# Altium PCB Bran_Main_Assay_PCB_v2_20170728.pcbdoc (part 1 of 4)
Units mil, origin at the board's own origin, x right, y up, seen from the top; angles counter-clockwise.
Board outline 3608.46 x 1899.79 mil, 6 copper layers (TOP, GND1, Singal, POWER, GND2, BOTTOM), stack 31.508 mil thick; 363 components, 288 nets, 1395 pads, 968 vias.
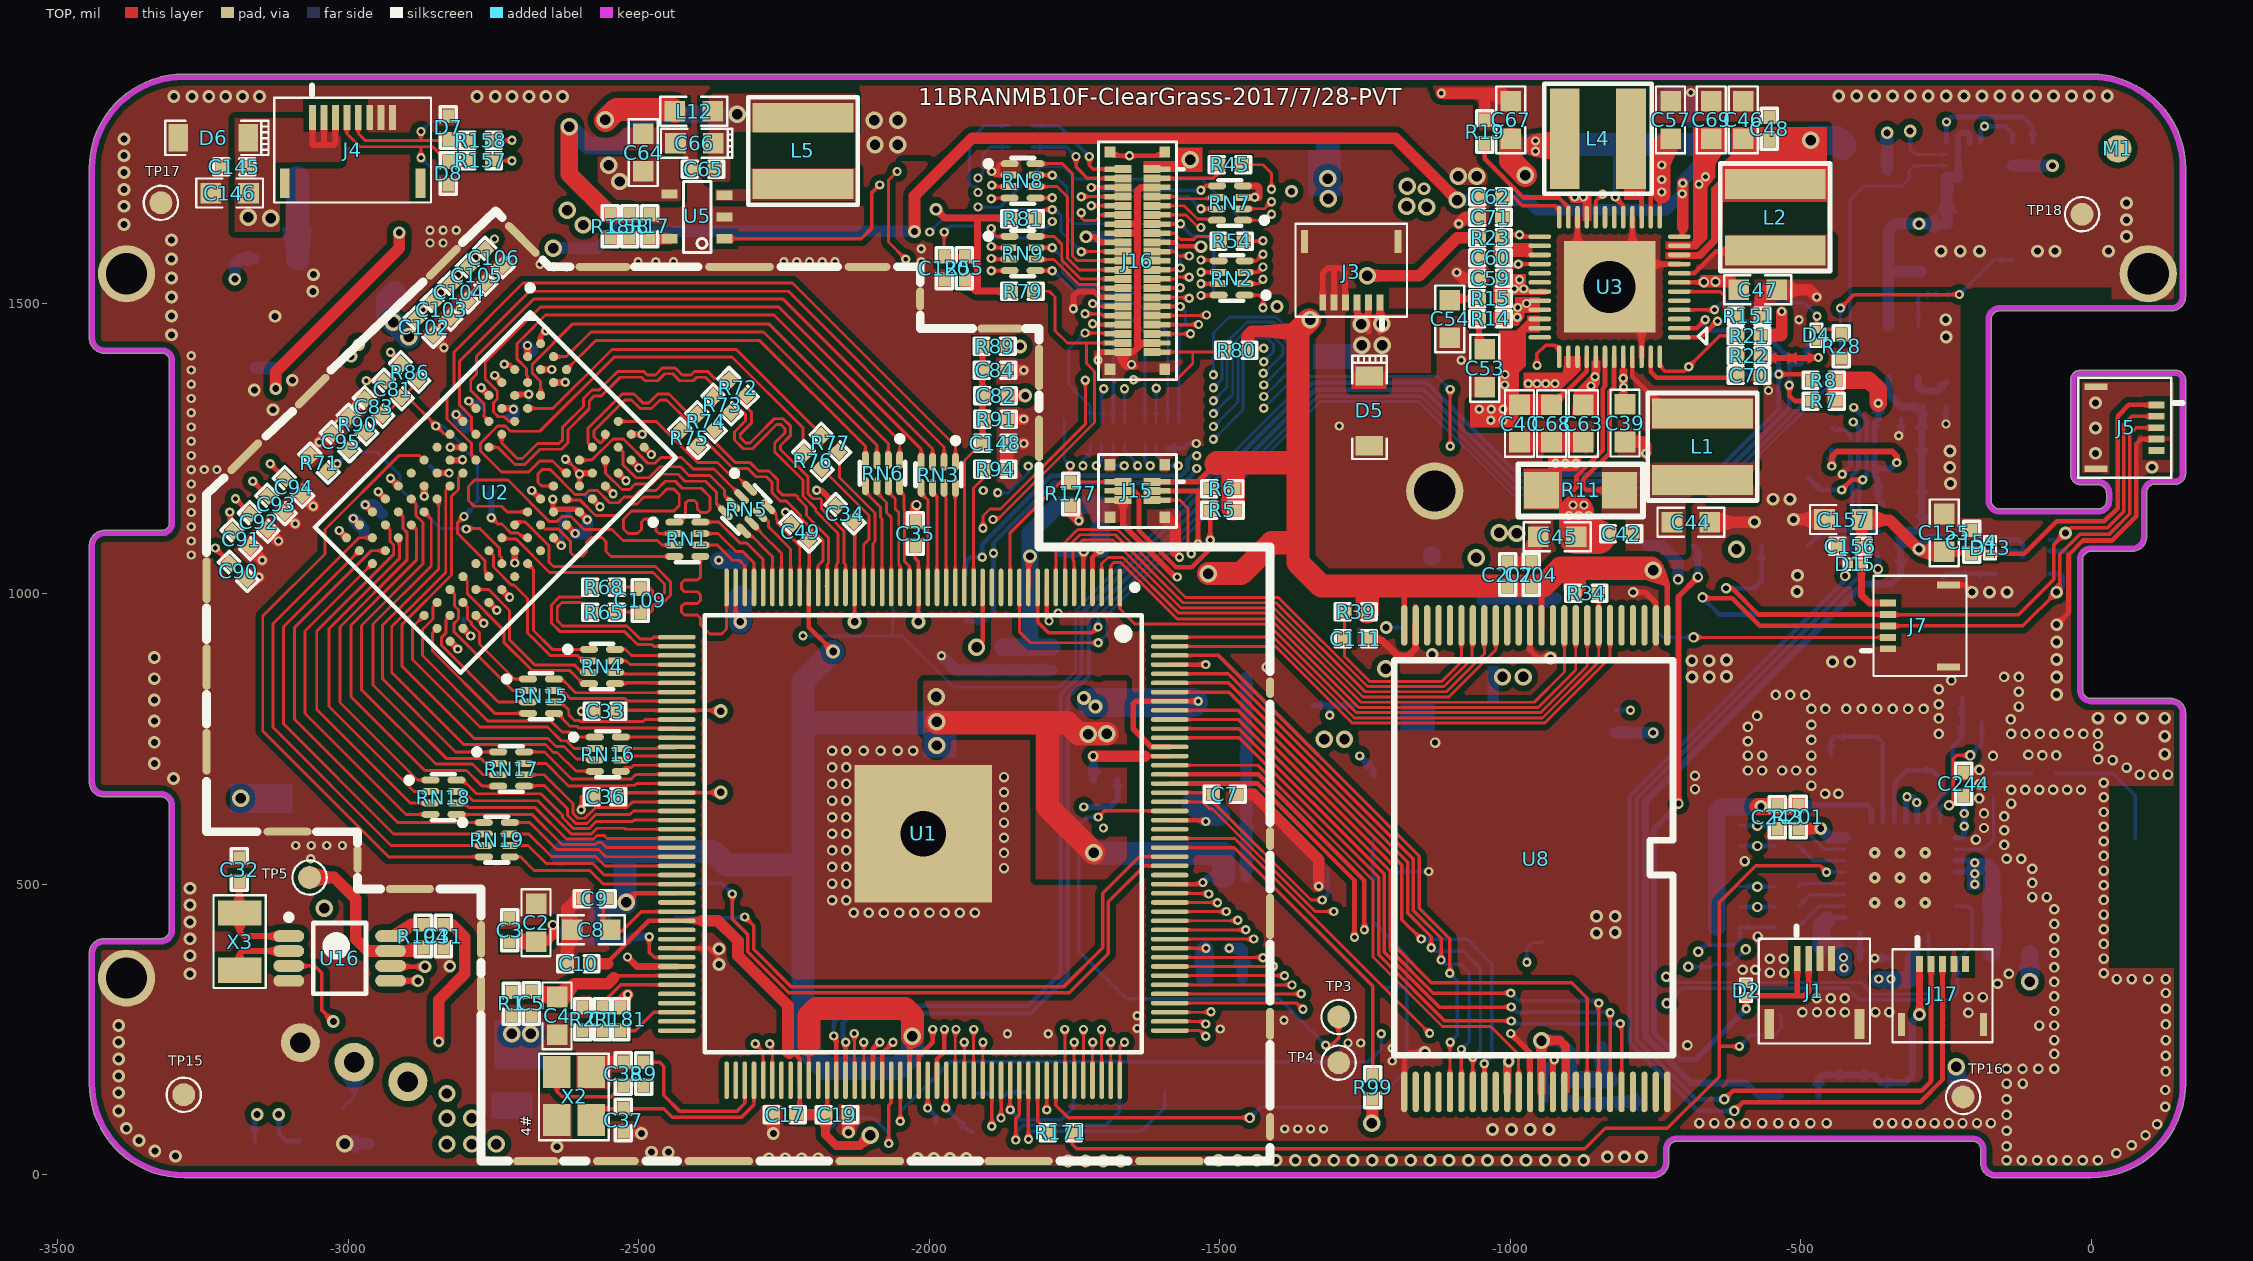
[diagram p0: TOP view]
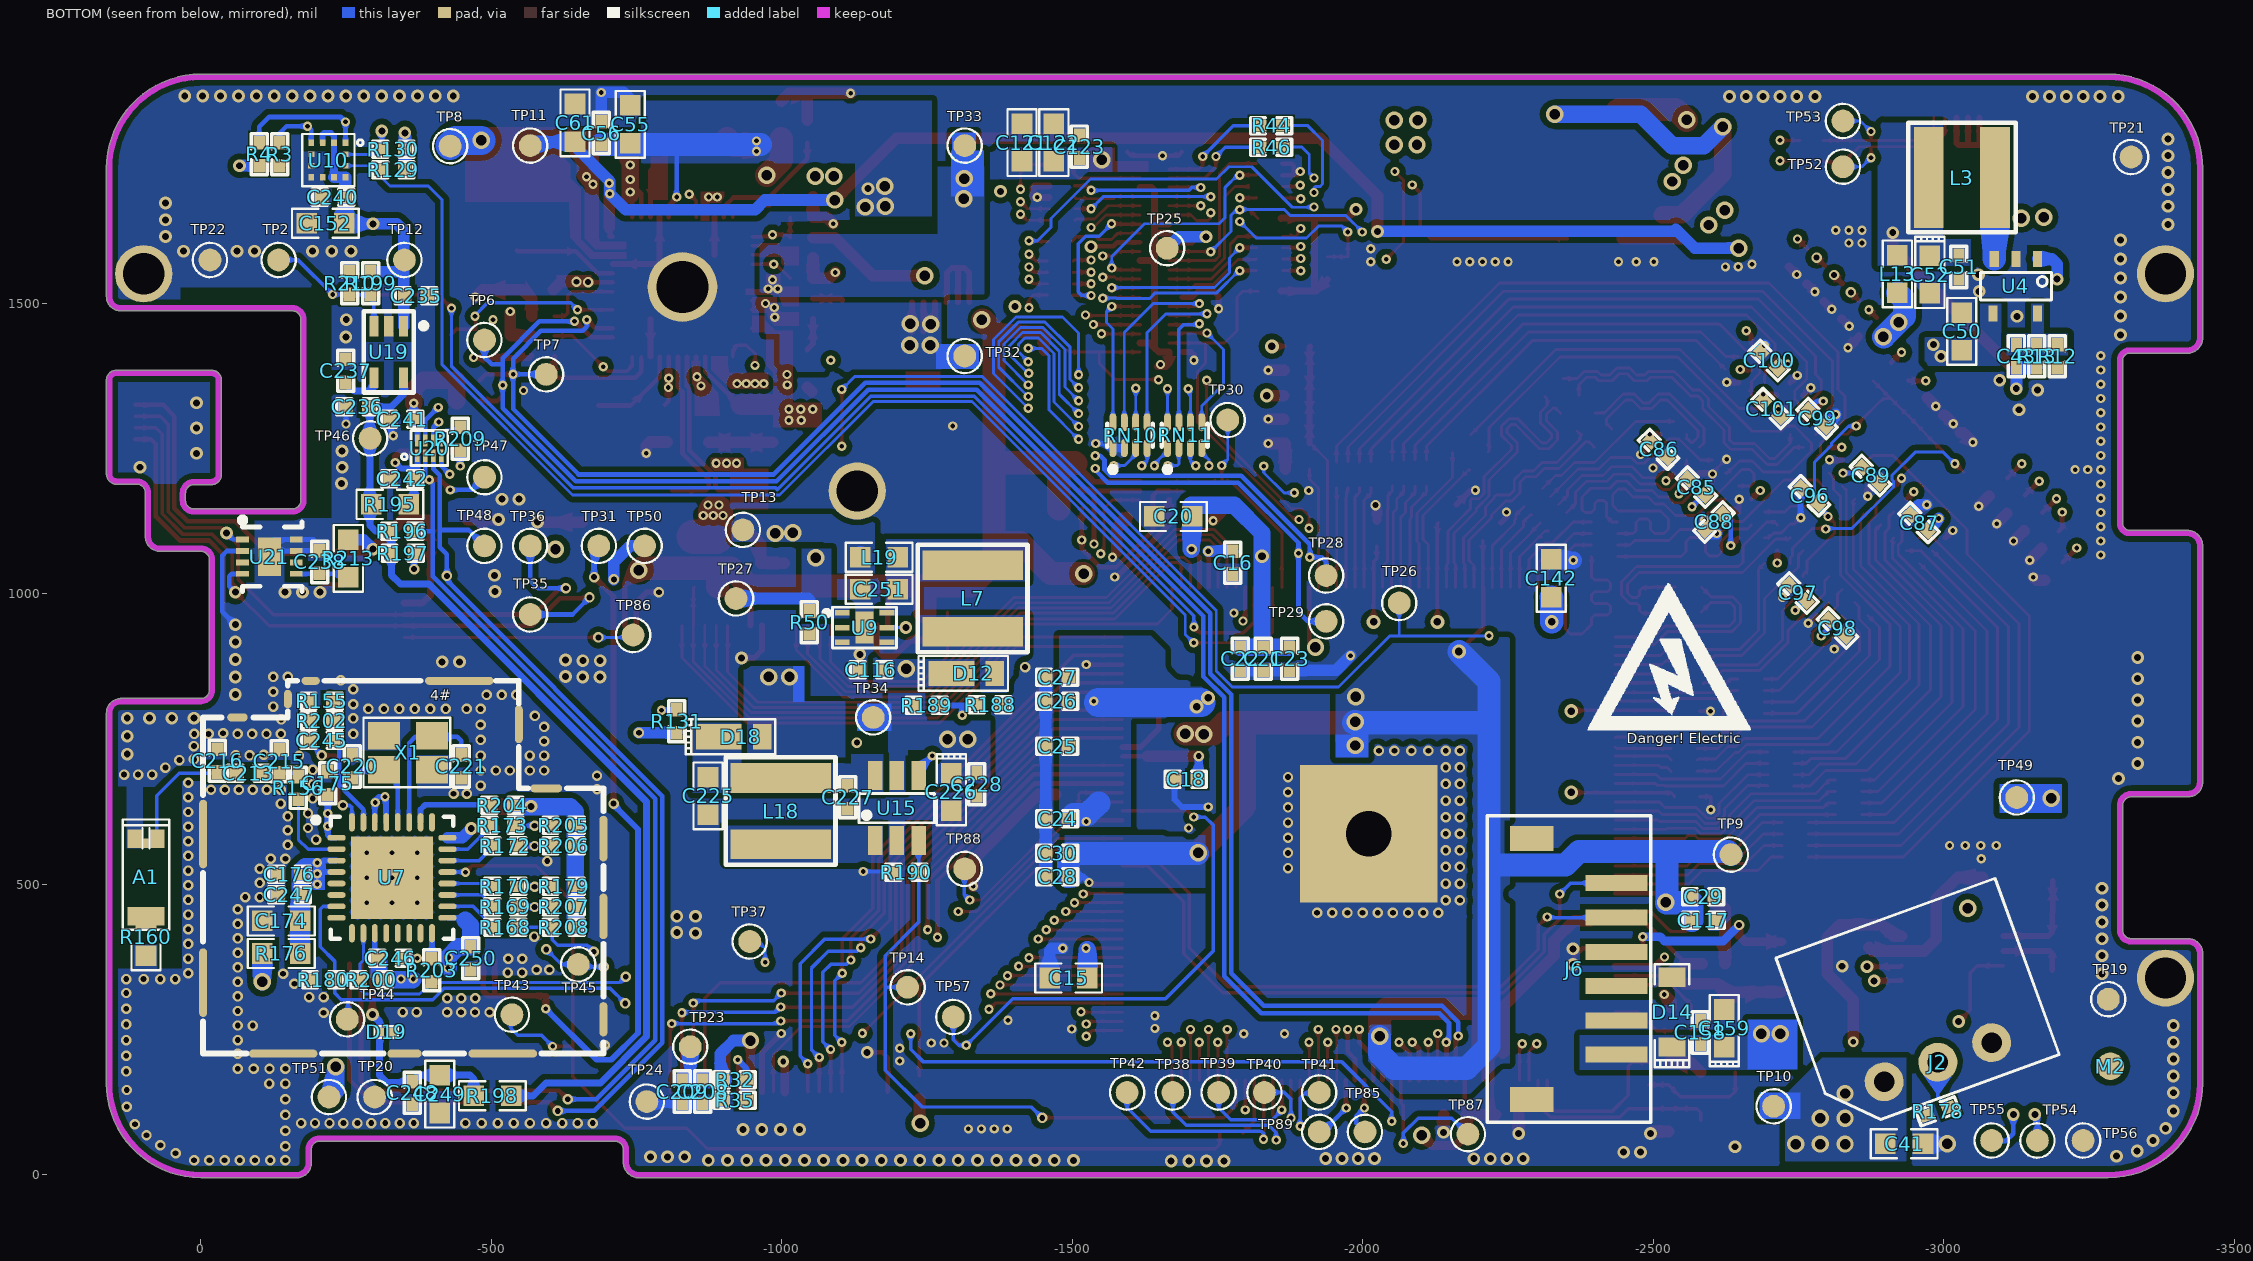
[diagram p1: BOTTOM view, seen from below]
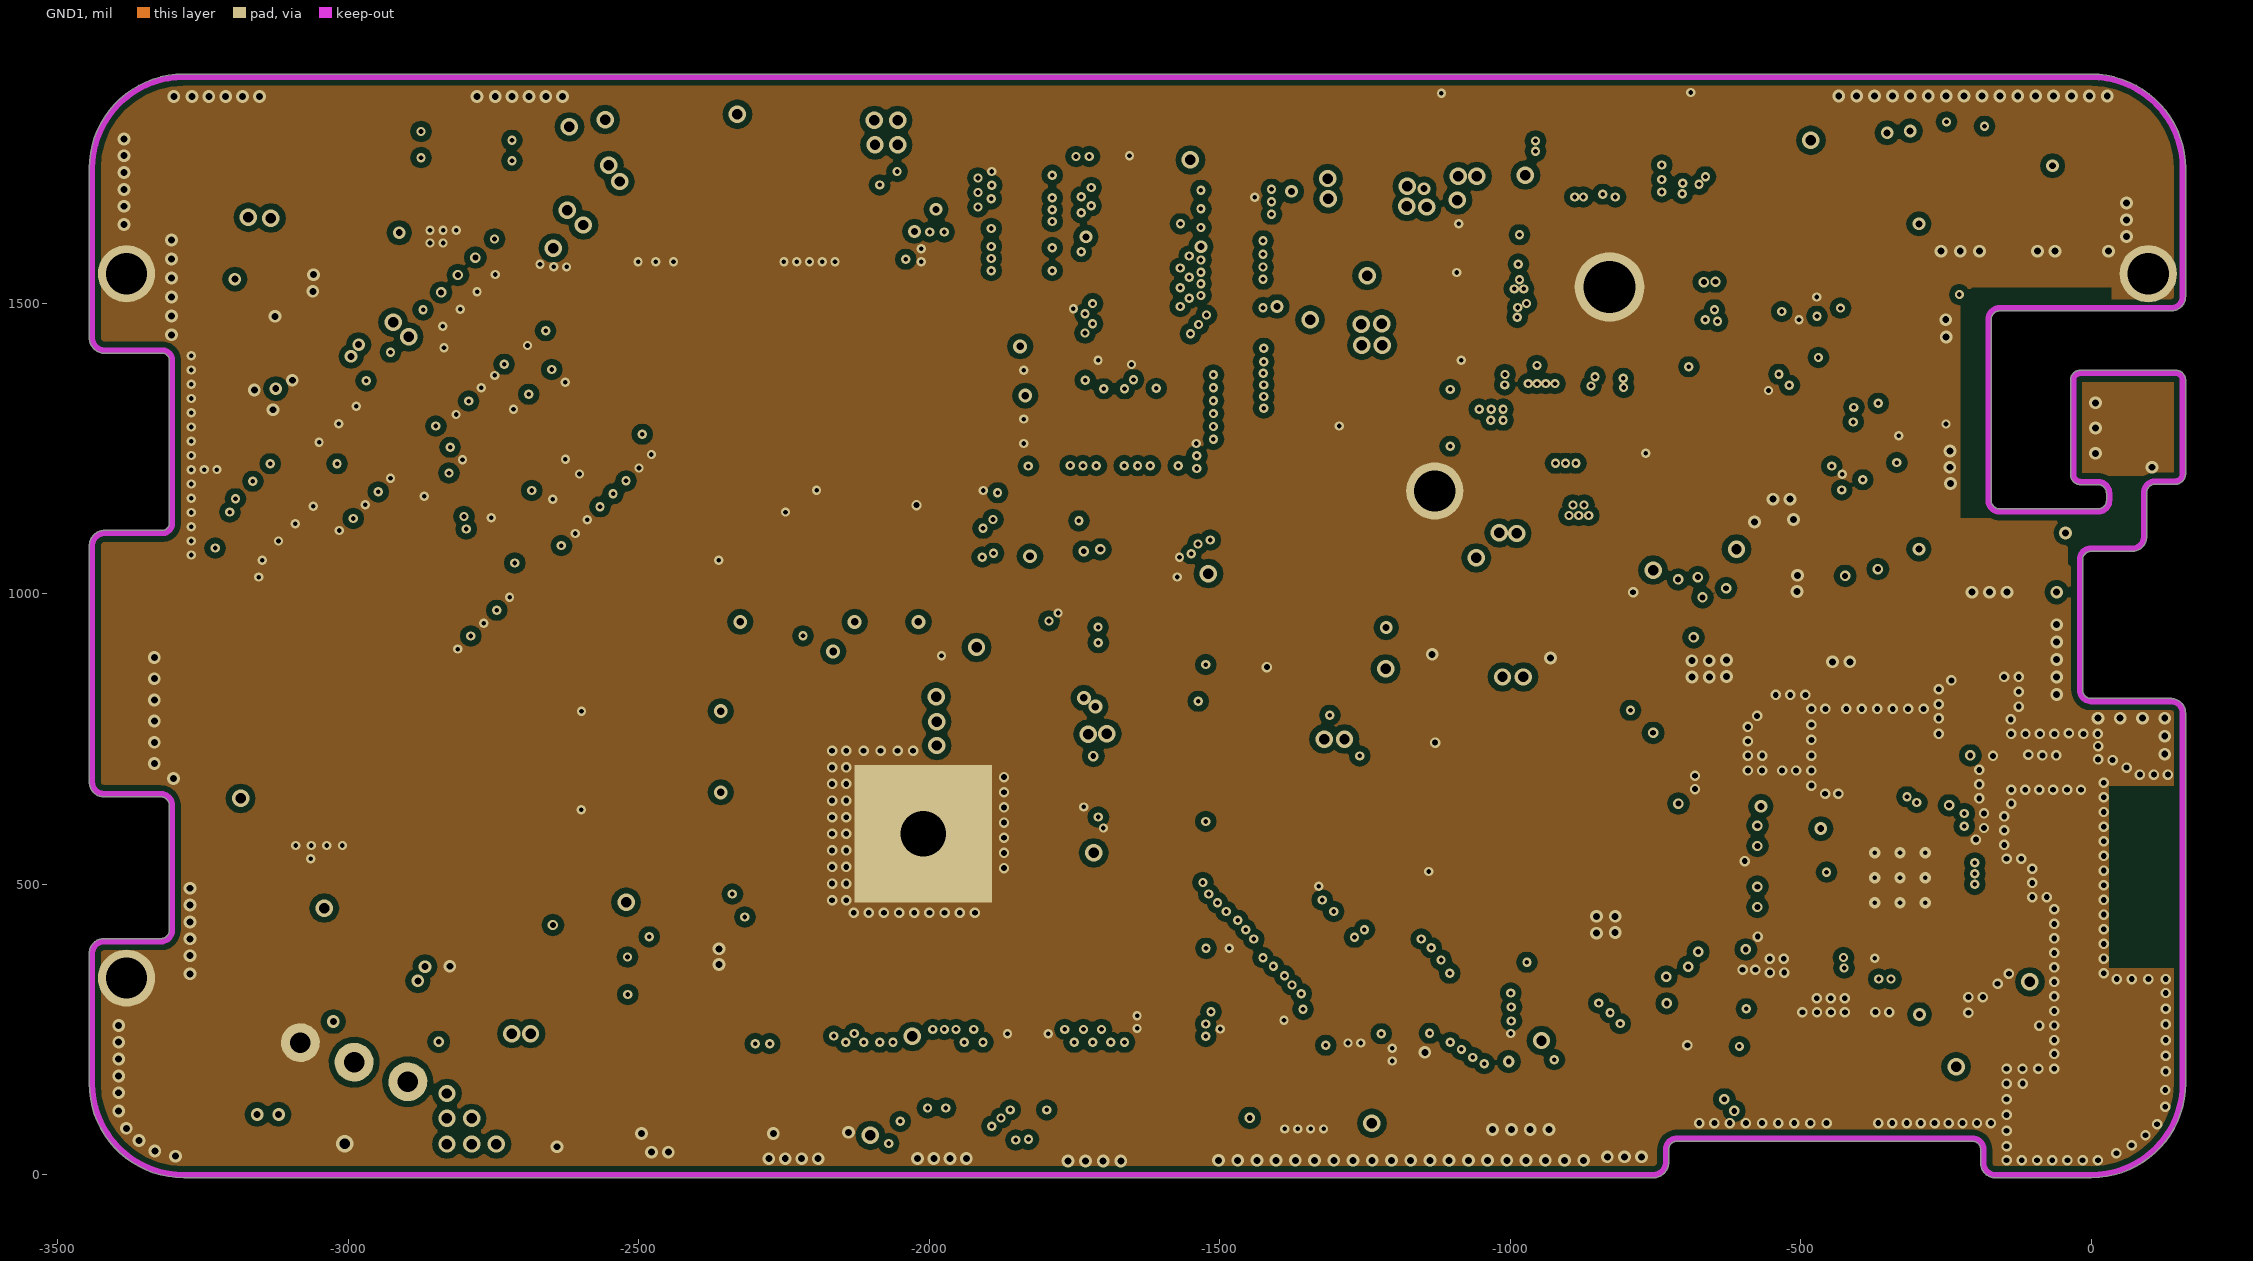
[diagram p2: GND1]
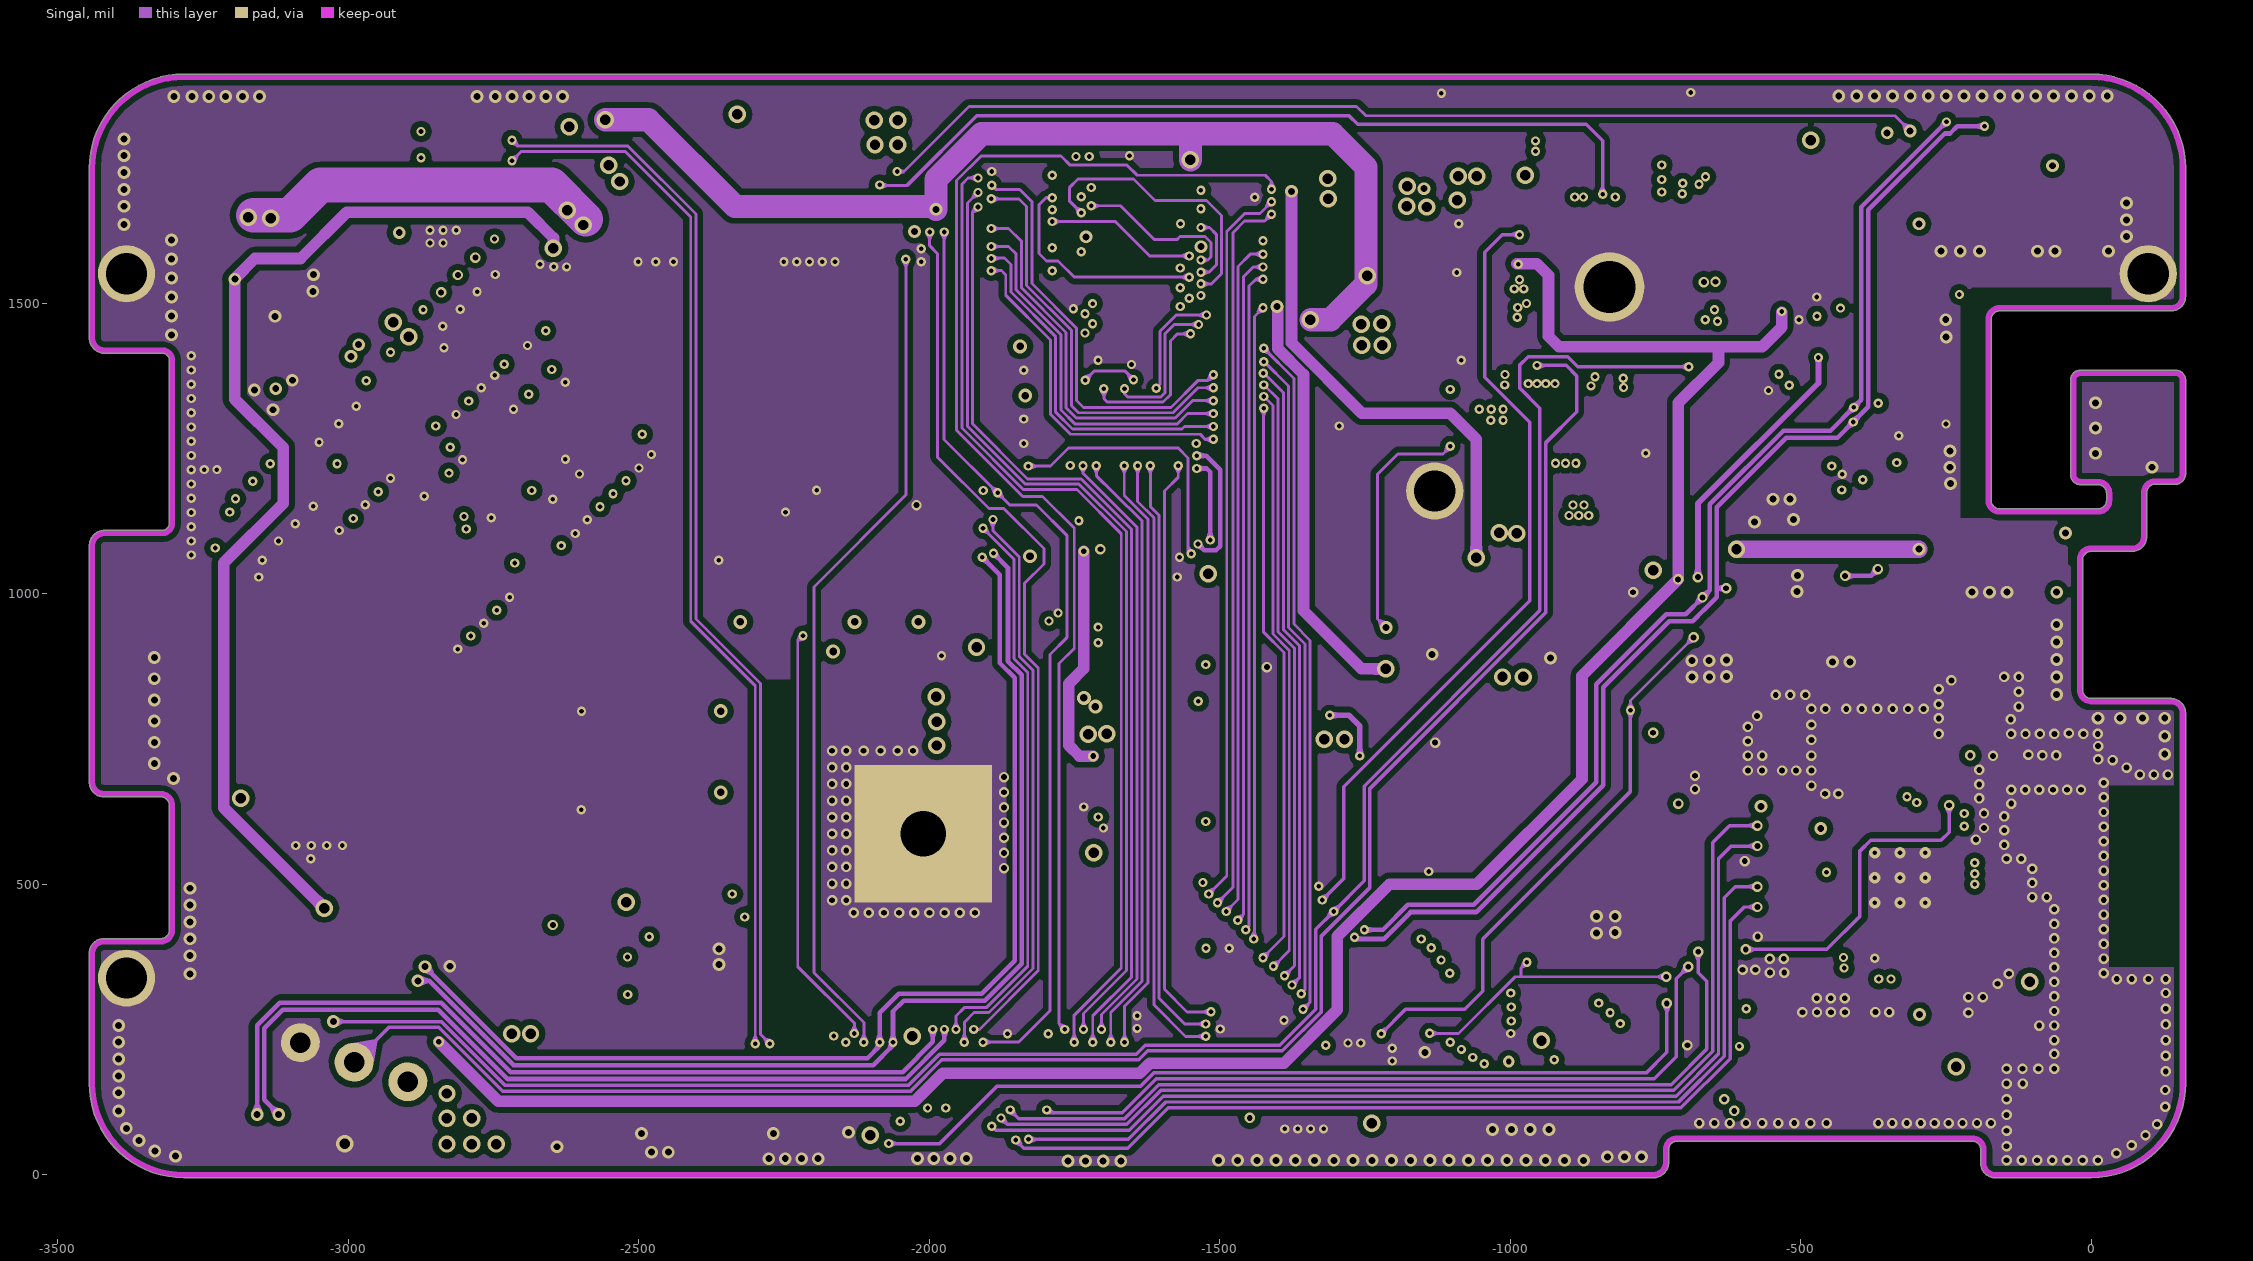
[diagram p3: Singal]
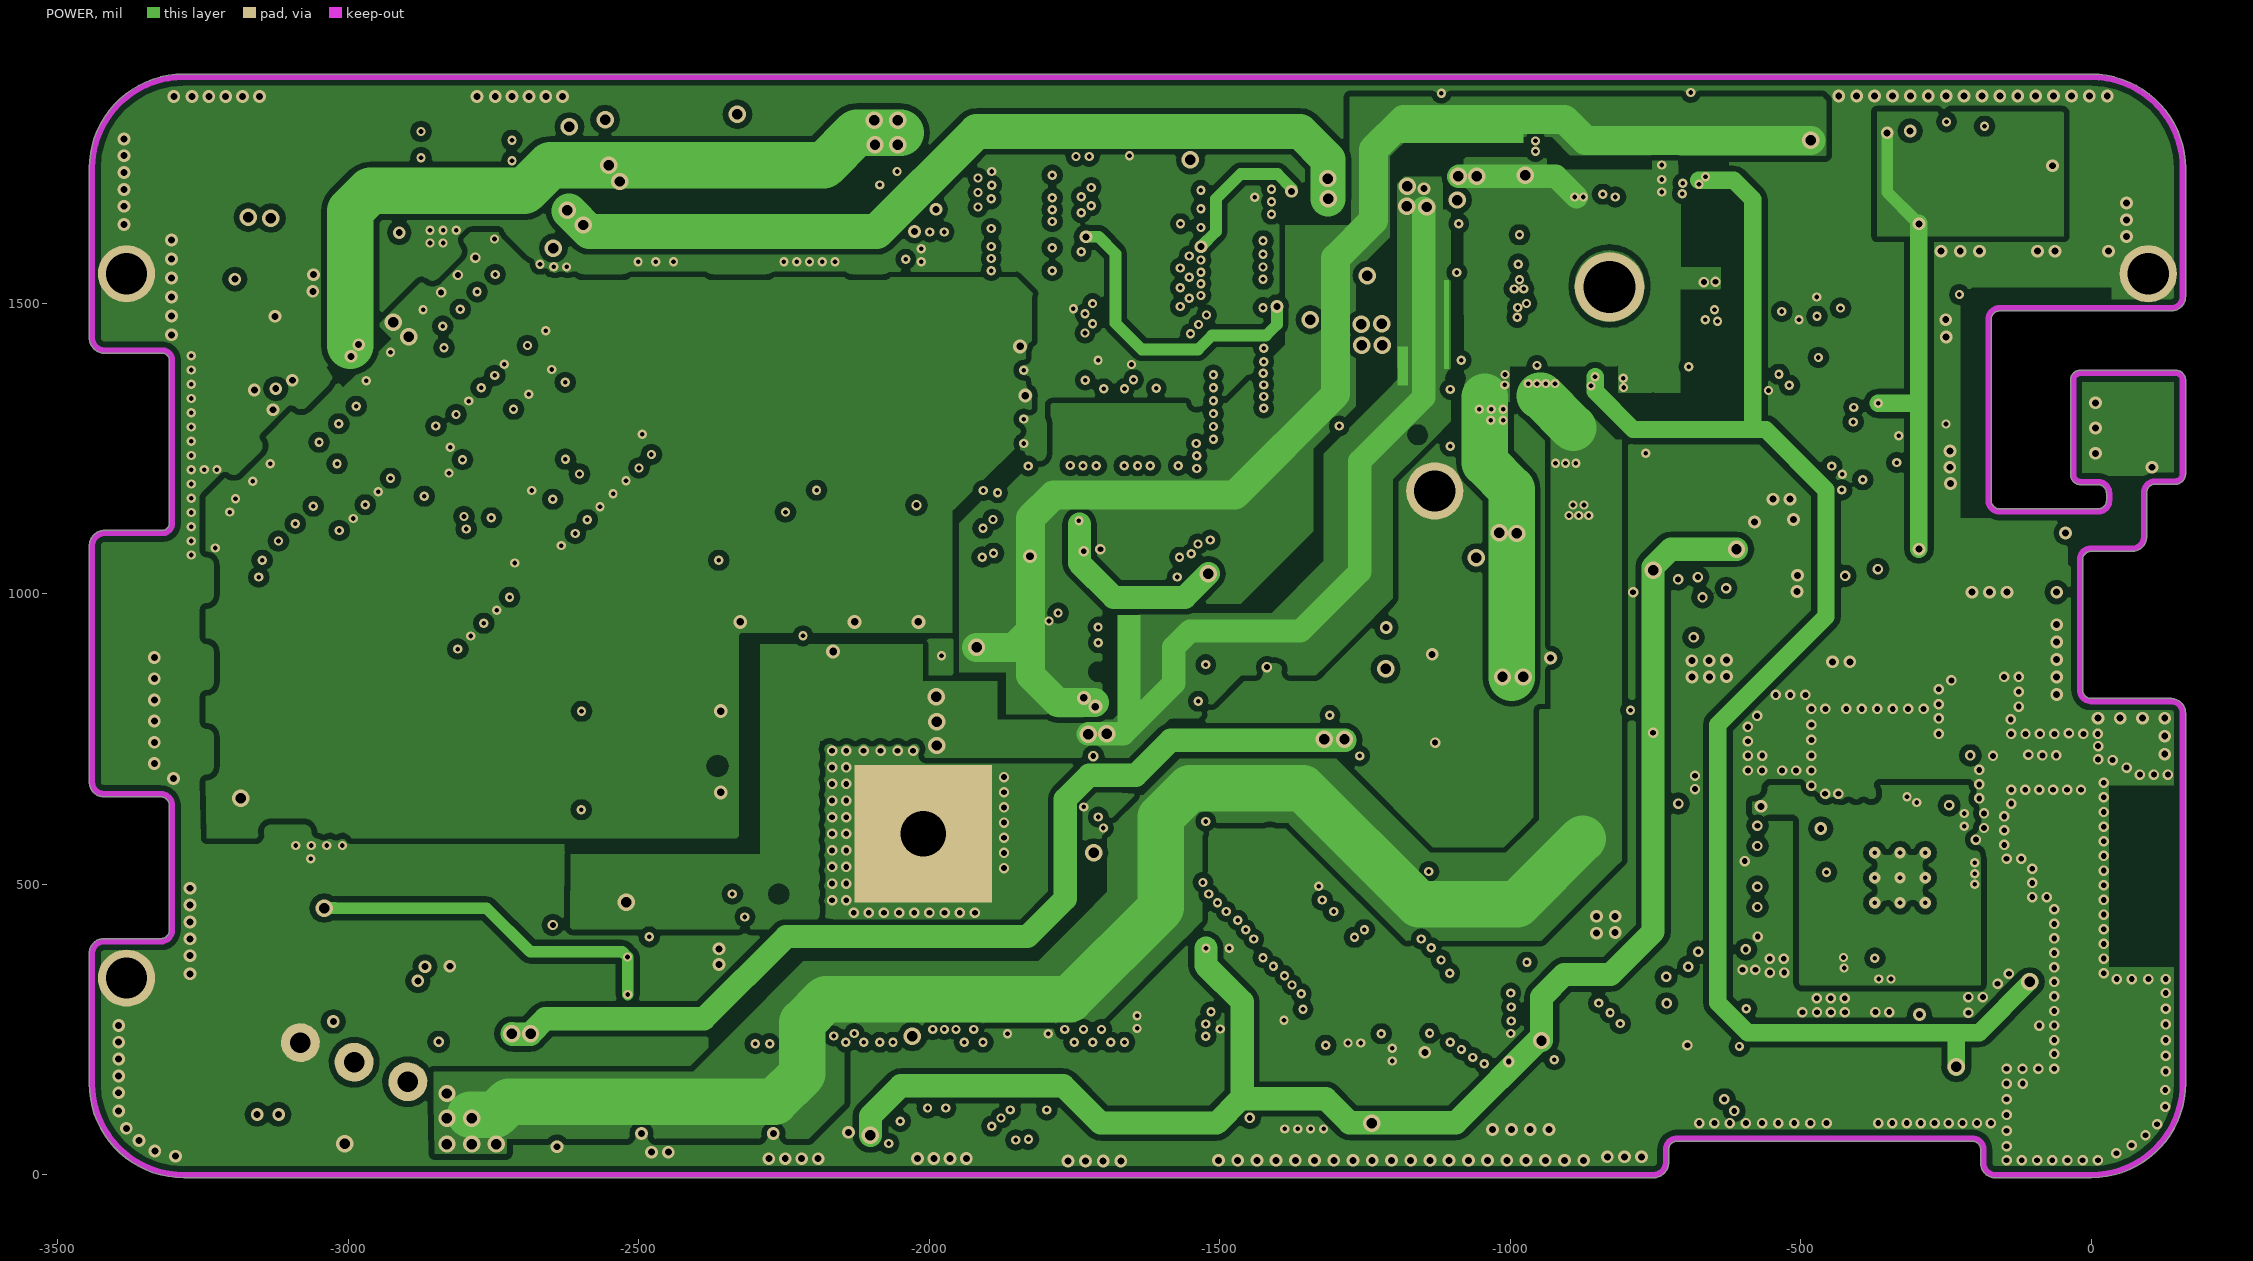
[diagram p4: POWER]